# KiCad board ButterStick.kicad_pcb (continued)
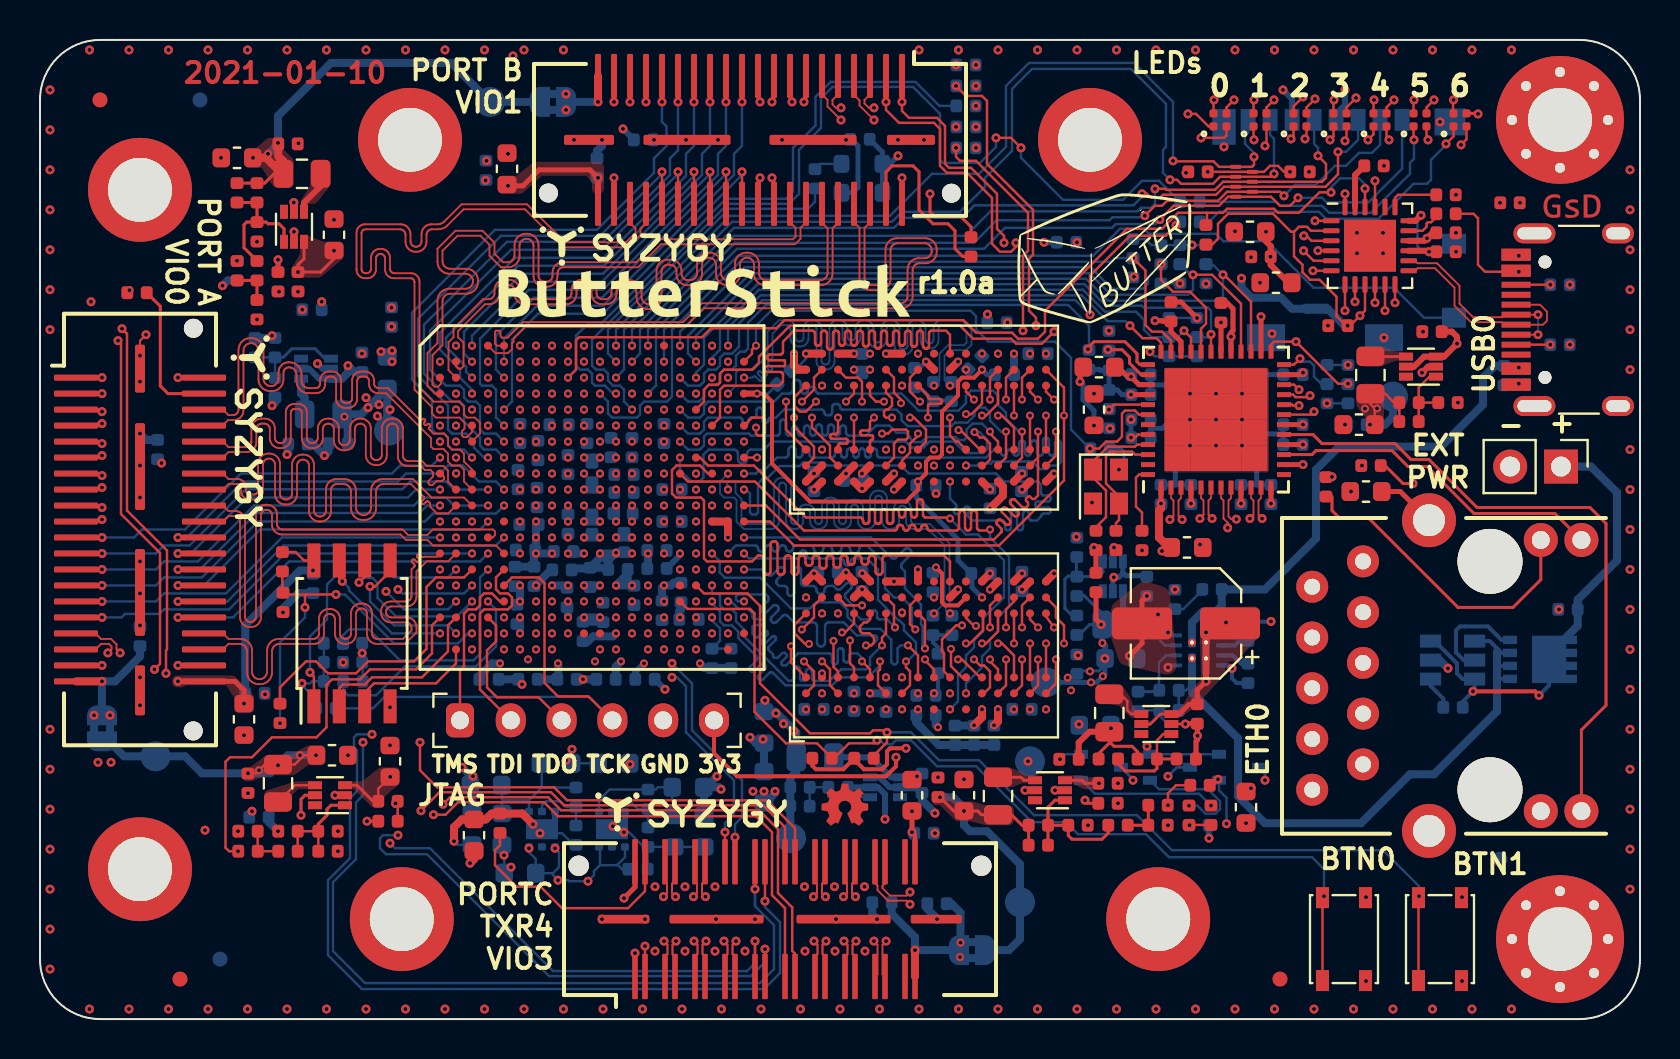
[diagram p0: board, top side]
## Routing (per net, layer and track width the routed paths; a pad name or vN(x,y) marks a point on that pad's centre or on a via; arc(x,y) is an arc through that point) (continued)
/GIGABIT-0/ETH_B_P: length 24
  Top w0.089: U2.5 58.05,26.07 58.18,25.95 58.18,25.23 v1(57.99,25.05)
  In2.Cu w0.089: v1(57.99,25.05) 58.18,24.87 58.18,24.35 58.53,24 58.53,23.3 57.97,22.75 57.97,20.2 58.82,19.35 58.82,17.1 59.06,16.86 59.09,16.82 59.11,16.78 59.13,16.73 59.13,16.68 59.11,16.63 59.09,16.58 59.06,16.54 58.51,16 58.45,15.92 58.41,15.83 58.39,15.73 58.39,15.63 58.41,15.53 58.45,15.44 58.51,15.36 58.55,15.32 58.63,15.26 58.72,15.22 58.82,15.2 58.92,15.2 59.02,15.22 59.11,15.26 59.19,15.32 60.76,16.9 60.8,16.93 60.84,16.95 60.89,16.96 60.94,16.96 60.99,16.95 61.04,16.93 61.08,16.9 61.11,16.86 61.13,16.81 61.14,16.76 61.14,16.71 61.13,16.66 61.11,16.62 61.08,16.58 60.53,16.03 60.46,15.95 60.42,15.86 60.4,15.76 60.4,15.66 60.42,15.56 60.46,15.47 60.53,15.4 60.8,15.12 64.3,15.12 65.03,15.85 65.59,15.85 66.15,15.28
/GIGABIT-0/ETH_C_N: length 23.4
  Top w0.089: v1(59.82,25.02) 59.56,25.02 59.43,25.15 59.43,25.95 59.55,26.07 U2.8
  In2.Cu w0.089: CON1.5 64.1,19.09 64.71,18.49 64.71,18.29 64.4,17.97 60.9,17.97 60.07,18.8 60.07,19.52 60.08,19.58 60.1,19.62 60.12,19.67 60.16,19.7 60.2,19.73 60.25,19.74 60.3,19.75 60.69,19.75 60.79,19.76 60.88,19.79 60.97,19.85 61.04,19.92 61.09,20 61.12,20.1 61.14,20.2 61.14,20.25 61.12,20.35 61.09,20.45 61.04,20.53 60.97,20.6 60.88,20.66 60.79,20.69 60.69,20.7 59.34,20.7 59.29,20.71 59.24,20.72 59.2,20.75 59.16,20.78 59.14,20.83 59.12,20.87 59.11,20.92 59.12,20.98 59.14,21.02 59.16,21.07 59.2,21.1 59.24,21.13 59.29,21.14 59.34,21.15 60.69,21.15 60.79,21.16 60.88,21.19 60.97,21.25 61.04,21.32 61.09,21.4 61.12,21.5 61.14,21.6 61.14,21.65 61.12,21.75 61.09,21.85 61.04,21.93 60.97,22 60.88,22.06 60.79,22.09 60.69,22.1 59.34,22.1 59.29,22.11 59.24,22.12 59.2,22.15 59.16,22.18 59.14,22.23 59.12,22.27 59.11,22.32 59.12,22.38 59.14,22.42 59.16,22.47 59.2,22.5 59.24,22.53 59.29,22.54 59.34,22.55 60.69,22.55 60.79,22.56 60.88,22.59 60.97,22.65 61.04,22.72 61.09,22.8 61.12,22.9 61.14,23 61.14,23.05 61.12,23.15 61.09,23.25 61.04,23.33 60.97,23.4 60.88,23.46 60.79,23.49 60.69,23.5 60.3,23.5 60.25,23.51 60.2,23.52 60.16,23.55 60.12,23.58 60.1,23.63 60.08,23.67 60.07,23.72 60.07,24.5 59.82,24.76 v1(59.82,25.02)
/GIGABIT-0/ETH_C_P: length 24
  Top w0.089: U2.7 59.05,26.07 59.18,25.95 59.18,25.05 59.38,24.84 v1(59.38,24.58)
  In2.Cu w0.089: CON1.6 65.68,18.3 65.08,18.3 64.5,17.72 60.8,17.72 59.82,18.7 59.82,19.55 59.84,19.65 59.87,19.75 59.92,19.83 59.99,19.9 60.08,19.96 60.17,19.99 60.27,20 60.66,20 60.71,20.01 60.76,20.02 60.8,20.05 60.84,20.08 60.86,20.13 60.88,20.17 60.89,20.22 60.88,20.28 60.86,20.32 60.84,20.37 60.8,20.4 60.76,20.43 60.71,20.44 60.66,20.45 59.31,20.45 59.21,20.46 59.12,20.49 59.03,20.55 58.96,20.62 58.91,20.7 58.88,20.8 58.86,20.9 58.86,20.95 58.88,21.05 58.91,21.15 58.96,21.23 59.03,21.3 59.12,21.36 59.21,21.39 59.31,21.4 60.66,21.4 60.71,21.41 60.76,21.42 60.8,21.45 60.84,21.48 60.86,21.53 60.88,21.57 60.89,21.62 60.88,21.68 60.86,21.72 60.84,21.77 60.8,21.8 60.76,21.83 60.71,21.84 60.66,21.85 59.31,21.85 59.21,21.86 59.12,21.89 59.03,21.95 58.96,22.02 58.91,22.1 58.88,22.2 58.86,22.3 58.86,22.35 58.88,22.45 58.91,22.55 58.96,22.63 59.03,22.7 59.12,22.76 59.21,22.79 59.31,22.8 60.66,22.8 60.71,22.81 60.76,22.82 60.8,22.85 60.84,22.88 60.86,22.93 60.88,22.97 60.89,23.02 60.88,23.08 60.86,23.12 60.84,23.17 60.8,23.2 60.76,23.23 60.71,23.24 60.66,23.25 60.27,23.25 60.17,23.26 60.08,23.29 59.99,23.35 59.92,23.42 59.87,23.5 59.84,23.6 59.82,23.7 59.82,24.4 59.64,24.58 v1(59.38,24.58)
/GIGABIT-0/ETH_D_N: length 23
  Top w0.089: v1(61.11,25.05) 60.93,25.23 60.93,25.95 61.05,26.07 U2.11
  In2.Cu w0.089: v1(61.11,25.05) 60.93,25.23 60.93,26.8 61.55,27.42 62.25,27.42 62.78,26.89 62.85,26.84 62.93,26.8 63.02,26.78 63.11,26.78 63.2,26.8 63.28,26.84 63.36,26.89 63.46,27 63.49,27.03 63.53,27.04 63.57,27.05 63.61,27.05 63.65,27.04 63.69,27.03 63.72,27 63.78,26.94 63.81,26.91 63.82,26.87 63.83,26.83 63.83,26.79 63.82,26.75 63.81,26.71 63.78,26.68 62.93,25.83 62.87,25.75 62.82,25.66 62.8,25.57 62.8,25.47 62.82,25.37 62.87,25.28 62.93,25.2 62.97,25.16 63.05,25.1 63.14,25.05 63.24,25.03 63.34,25.03 63.43,25.05 63.52,25.1 63.6,25.16 64.48,26.02 64.52,26.05 64.56,26.07 64.61,26.08 64.65,26.08 64.7,26.07 64.74,26.05 64.78,26.02 64.8,25.99 64.83,25.96 64.85,25.91 64.86,25.87 64.86,25.82 64.85,25.78 64.83,25.73 64.8,25.7 64.69,25.59 64.63,25.52 64.59,25.43 64.57,25.33 64.57,25.24 64.59,25.14 64.63,25.06 64.69,24.98 65.05,24.62 66.55,24.62 68.03,23.15 68.03,22.1 67.7,21.77 65.35,21.77 64.57,21 64.25,21 CON1.3
/GIGABIT-0/ETH_D_P: length 24
  Top w0.089: U2.10 60.55,26.07 60.68,25.95 60.68,25.23 v1(60.49,25.05)
  In2.Cu w0.089: CON1.4 65.44,20.36 64.99,20.81 64.99,21.06 65.45,21.52 67.8,21.52 68.28,22 68.28,23.25 66.65,24.87 65.15,24.87 64.89,25.14 64.86,25.17 64.84,25.22 64.83,25.26 64.83,25.31 64.84,25.35 64.86,25.4 64.89,25.43 65,25.54 65.06,25.62 65.1,25.7 65.12,25.8 65.12,25.89 65.1,25.99 65.06,26.08 65,26.15 64.93,26.21 64.86,26.27 64.77,26.31 64.68,26.34 64.58,26.34 64.49,26.31 64.4,26.27 64.32,26.21 63.44,25.36 63.41,25.32 63.36,25.3 63.31,25.29 63.26,25.29 63.21,25.3 63.17,25.32 63.13,25.36 63.09,25.4 63.07,25.44 63.06,25.49 63.06,25.54 63.07,25.59 63.09,25.63 63.13,25.67 63.98,26.52 64.03,26.59 64.07,26.68 64.09,26.77 64.09,26.86 64.07,26.95 64.03,27.03 63.98,27.1 63.88,27.2 63.81,27.25 63.73,27.29 63.64,27.31 63.55,27.31 63.46,27.29 63.37,27.25 63.3,27.2 63.2,27.09 63.17,27.06 63.13,27.05 63.09,27.04 63.05,27.04 63.01,27.05 62.97,27.06 62.94,27.09 62.35,27.67 61.45,27.67 60.68,26.9 60.68,25.23 v1(60.49,25.05)
/PDM0: length 20.8
  Top w0.12: U4.V1 19.6,19.7 19.6,18.3 18.8,17.5 16.5,17.5 16,17 14.6,17 14.33,16.72 14.33,14.6 13.83,14.1 11.6,14.1 10.6,13.1 9.5,13.1 9.28,12.87 9.28,8.57 9.45,8.4 v1(9.9,8.4) R75.2
/PDM1: length 21.8
  In2.Cu w0.12: v1(10.85,35.01) 14.33,35.01 15.25,34.1 18.08,34.1 18.58,33.6 18.58,32.17 19.03,31.72 19.78,31.72 20.6,30.9 20.93,30.9 21.21,30.61 21.21,30.29 22.2,29.3 22.6,29.3 22.8,29.5 22.8,29.85 23.05,30.1 26.65,30.1 26.82,30.27 26.82,30.72 27,30.9 27.6,30.9 v2(28,30.5)
/PDM2: length 59.7
  In2.Cu w0.12: v2(20.8,21.7) 20.4,21.3 20.4,20.6 18.45,18.65 18.45,11.5 18.58,11.37 18.58,9.32 18.9,9 19.75,9 22.3,6.45 22.3,2.65 22.95,2 46.2,2 53.9,9.7 v1(56.4,9.7)
/sheetFPGA/CFG0: length 11.6
  Bottom w0.12: R50.2 15.17,16.43 15.4,16.2 16.8,16.2 18.25,17.65 21.8,17.65 22.8,18.65 22.8,20.5 v2(22.4,20.9)
/sheetFPGA/CFG1: length 10.3
  In2.Cu w0.12: v1(15.16,17.85) 15.16,18.11 17.92,20.87 18.4,20.87 19.3,21.77 19.3,22.32 19.85,22.87 20.95,22.87 22.12,21.7 v2(22.4,21.7)
  Bottom w0.12: R48.2 v1(15.16,17.85)
/sheetFPGA/CFG2: length 12.5
  Bottom w0.12: R46.2 15.14,19.19 15.45,19.5 16.45,19.5 18,17.95 21.68,17.95 22,18.27 22,22.1 v2(22.4,22.5)
/sheetFPGA/CFG.CLK: length 8.5
  Top w0.12: v1(15.95,21.85) 16.23,22.13 U5.6
  Bottom w0.12: v1(15.95,21.85) 16.17,22.07 16.63,22.07 16.87,21.83 16.87,21.08 17.8,20.15 20.85,20.15 v2(21.6,20.9)
/sheetFPGA/CFG.CS: length 13.5
  Top w0.12: v1(13.5,17.35) 13.69,17.15 U5.1
  Bottom w0.12: v1(13.5,17.35) 13.5,19.15 14.35,20 14.35,21.75 14.95,22.35 17.45,22.35 17.7,22.1 20.4,22.1 v2(20.8,22.5)
/sheetFPGA/CFG.IO0: length 7.6
  Top w0.12: v1(16.5,21.65) 16.75,21.65 17.5,22.4 U5.5
  Bottom w0.12: v1(16.5,21.65) 16.5,20.9 17.7,19.7 20.4,19.7 v2(20.8,19.3)
/sheetFPGA/CFG.IO1: length 9
  Top w0.12: U5.2 14.97,16.56 15.14,16.74 16.24,16.74 16.6,17.1 19.1,17.1 20.4,18.4 20.4,19.7 U4.V2
/sheetFPGA/CFG.IO2: length 6.6
  Top w0.12: U4.Y2 20.8,17.8 19.8,16.8 16.7,16.8 16.23,16.33 U5.3
/sheetFPGA/CFG.IO3: length 7.1
  Top w0.12: U5.7 14.97,22.06 v1(15.11,21.91)
  Bottom w0.12: v2(20,19.3) 17.6,19.3 15.45,21.45 15.45,21.57 v1(15.11,21.91)
/sheetFPGA/FPGA_RESET: length 18.8
  Top w0.12: R52.1 v1(12,14.8) ; 13.3,21.25 12.25,21.25 12.12,21.38 R45.2 12.11,22.41 ; 13.3,21.25 v1(14.8,21.25) ; 13.3,21.25 13.25,21.2 v1(13.25,20.6)
  Bottom w0.12: v1(14.8,21.25) 15.25,21.25 17.7,18.8 20.9,18.8 21.4,19.3 v2(21.6,19.3) ; v1(12,14.8) 12,18.85 13.25,20.1 v1(13.25,20.6)
/sheetFPGA/TCK: length 26.1
  Top w0.12: J6.4 27.42,16.15 25.9,16.15 25.22,16.82 25.22,21.82 24.95,22.1 23.6,22.1 U4.T5
  Bottom w0.12: 28.65,14.98 J6.4 27.44,16.12 17.22,16.12 16.65,15.55 R55.1
/sheetFPGA/TDI: length 10.3
  Top w0.12: U4.R5 22.8,22.1 22.8,21.5 23,21.3 23.4,21.3 23.6,21.1 23.6,20.7 23.4,20.5 22.2,20.5 22,20.3 22,16.49 J6.2
  Bottom w0.12: 23.55,14.96 J6.2
/sheetFPGA/TDO: length 8.3
  Top w0.12: J6.3 24.93,16.1 22.85,16.1 22.35,16.6 22.35,18.45 22.8,18.9 22.8,19.7 U4.V4
  Bottom w0.12: 26.1,14.97 J6.3
/sheetFPGA/TMS: length 8.2
  Top w0.12: U4.U5 23,20.9 22.6,21.3 22.2,21.3 22,21.1 22,20.7 21.8,20.5 21.4,20.5 21.2,20.3 21.2,17.65 21,17.45 J6.1
/sheetIO/IO-LEDS/CATB: length 94
  Top w0.12: v1(71.05,43.75) 71.32,44.02 D7.4 ; D1.4 59.32,44.22 59.2,44.1 v1(58.05,44.1) ; D4.4 65.32,44.02 v1(65.25,43.95) ; v1(63.25,44.05) 63.32,44.12 D3.4 ; D5.4 67.32,44.12 v1(67.45,44) ; D2.4 61.32,43.77 v1(61.25,43.7) ; v1(69.4,44) 69.32,44.07 D6.4
  In2.Cu w0.15: v1(69.4,44) 69.4,43.4 69.55,43.25 69.55,42 69.65,41.9 69.65,40.05 70.2,39.5 70.2,27.75 72.05,25.9 78.1,25.9 78.8,25.2 78.8,9.3 78.05,8.55 72.7,8.55 71.3,7.15 64,7.15 59.6,11.55 57.64,11.55 56.34,12.85 55.55,12.85 v1(54.65,11.95)
  In5.Cu w0.12: v1(58.05,44.1) 59.65,44.1 60.05,44.5 61.1,44.5 61.25,44.35 v1(61.25,43.7) 61.9,43.7 62.2,43.4 62.6,43.4 v1(63.25,44.05) 63.25,44.4 63.35,44.5 65.1,44.5 65.25,44.35 ; 67.45,44.35 67.3,44.5 65.4,44.5 65.25,44.35 ; 67.45,44.35 67.6,44.5 69.12,44.5 69.4,44.22 ; 67.45,44.35 v1(67.45,44) ; 65.25,44.35 v1(65.25,43.95) ; 69.4,44.22 v1(69.4,44) ; 69.4,44.22 69.57,44.4 70.75,44.4 71.05,44.1 v1(71.05,43.75)
  Bottom w0.15: v1(54.65,11.95) 54.65,12 Q2.3
/sheetIO/IO-LEDS/CATG: length 92.9
  Top w0.12: D2.3 61.32,45.62 v1(61.7,46) ; v1(67.7,46) 67.32,45.62 D5.3 ; v1(59.7,46) 59.32,45.62 D1.3 ; v1(65.8,46.1) 65.32,45.62 D4.3 ; v1(63.75,46.05) 63.32,45.62 D3.3 ; D6.3 69.32,45.62 v1(69.7,46)
  Top w0.15: v1(71.9,45.3) 71.88,45.32 D7.3
  In2.Cu w0.15: 63.35,46.65 62.95,46.65 62.3,46 v1(61.7,46) 61.55,46 61.05,46.5 60.2,46.5 v1(59.7,46) ; 63.35,46.65 63.75,46.65 v1(63.75,46.05) ; 63.35,46.65 64.35,46.65 64.75,47.05 65.75,47.05 66.25,46.55 ; v1(67.7,46) 67.7,46.3 ; 67.7,46.3 67.95,46.55 69.1,46.55 69.65,46 v1(69.7,46) 69.8,46 70.55,46.75 71.55,46.75 71.9,46.4 v1(71.9,45.3) 71.9,26.65 72.35,26.2 78.35,26.2 79.1,25.45 79.1,9.1 78.2,8.2 72.95,8.2 71.6,6.85 63.88,6.85 59.53,11.2 57.08,11.2 56.4,11.88 v1(56.4,12.15) ; 67.7,46.3 67.45,46.55 66.25,46.55 ; 66.25,46.55 v1(65.8,46.1)
  Bottom w0.15: Q3.3 56.85,12.6 v1(56.4,12.15)
/sheetIO/IO-LEDS/CATR: length 85.3
  Top w0.12: v1(60.7,46) 60.68,45.97 D2.2 ; v1(70.68,46) 70.65,45.97 70.65,45.32 ; v1(68.7,46) 68.68,45.97 D6.2 ; v1(58.7,46) 58.68,45.97 D1.2 ; v1(64.7,46) 64.68,45.97 D4.2 ; D5.2 66.68,45.97 v1(66.7,46) ; D3.2 62.68,45.67 v1(63.15,46.15)
  In2.Cu w0.15: 68.7,45.65 68.5,45.45 68.05,45.45 ; 68.7,45.65 v1(68.7,46) ; 68.7,45.65 68.9,45.45 70.12,45.45 v1(70.68,46) ; 66.7,45.65 66.9,45.45 68.05,45.45 ; 66.7,45.65 v1(66.7,46) ; 66.7,45.65 66.55,45.5 64.9,45.5 64.7,45.7 ; 68.05,45.45 68.05,40.1 68.49,39.66 69.36,39.66 69.9,39.12 69.9,27.65 72,25.55 77.9,25.55 78.4,25.05 78.4,9.45 77.85,8.9 72.55,8.9 71.15,7.5 64.95,7.5 61.25,11.2 v1(61.25,11.95) ; v1(60.7,46) 60.7,45.6 ; 60.7,45.6 60.8,45.5 62.85,45.5 63.15,45.8 ; 60.7,45.6 60.6,45.5 59.25,45.5 58.75,46 v1(58.7,46) ; v1(64.7,46) 64.7,45.7 ; 64.7,45.7 64.55,45.55 63.4,45.55 63.15,45.8 ; 63.15,45.8 v1(63.15,46.15)
  Bottom w0.15: Q1.3 61.25,12.3 v1(61.25,11.95)
/SYZYGY0.C2P_CLK_N: length 27.2
  Top w0.089: U4.P2 20.41,22.91 19.34,22.91 18.83,22.4 18.83,21.14 18.81,21.03 18.78,20.93 18.72,20.84 18.64,20.76 18.54,20.7 18.44,20.66 18.33,20.65 17.58,20.65 17.51,20.64 17.46,20.62 17.4,20.59 17.36,20.55 17.33,20.49 17.31,20.44 17.3,20.37 17.31,20.31 17.33,20.26 17.36,20.2 17.4,20.16 17.46,20.13 17.51,20.11 17.58,20.1 18.33,20.1 18.44,20.09 18.54,20.05 18.64,19.99 18.72,19.91 18.78,19.82 18.81,19.72 18.83,19.61 18.83,19.35 18.25,18.77 16.84,18.77 16.73,18.79 16.63,18.82 16.54,18.88 16.46,18.96 16.4,19.06 16.36,19.16 16.35,19.27 16.35,20.27 16.34,20.34 16.32,20.39 16.29,20.45 16.25,20.49 16.19,20.52 16.14,20.54 16.08,20.55 16.01,20.54 15.96,20.52 15.9,20.49 15.86,20.45 15.83,20.39 15.81,20.34 15.8,20.27 15.8,19.27 15.79,19.16 15.75,19.06 15.69,18.96 15.61,18.88 15.52,18.82 15.42,18.79 15.31,18.77 15.24,18.77 15.13,18.79 15.03,18.82 14.94,18.88 14.86,18.96 14.8,19.06 14.76,19.16 14.75,19.27 14.75,20 14.74,20.06 14.72,20.12 14.69,20.17 14.65,20.22 14.59,20.25 14.54,20.27 14.47,20.28 14.41,20.27 14.36,20.25 14.3,20.22 14.26,20.17 14.23,20.12 14.21,20.06 14.2,20 14.2,19.27 14.19,19.16 14.15,19.06 14.09,18.96 14.01,18.88 13.92,18.82 13.82,18.79 13.71,18.77 11.97,18.77 11.89,18.77 11.81,18.74 11.74,18.69 11.68,18.63 11.64,18.56 11.61,18.48 11.6,18.4 11.6,17.35 11.59,17.22 11.54,17.09 11.47,16.98 11.38,16.89 11.27,16.82 11.14,16.77 11.01,16.76 10.94,16.76 10.81,16.77 10.68,16.82 10.57,16.89 10.48,16.98 10.41,17.09 10.36,17.22 10.35,17.35 10.35,18.4 10.34,18.48 10.31,18.56 10.27,18.63 10.21,18.69 10.14,18.74 10.06,18.77 9.97,18.77 9.42,18.77 9.15,18.5 J3.36
/SYZYGY0.C2P_CLK_P: length 27.2
  Top w0.089: U4.P1 19.84,23.14 19.21,23.14 19.2,23.13 19.18,23.12 19.16,23.11 19.14,23.11 19.12,23.12 19.1,23.13 19.09,23.14 19,23.23 18.98,23.24 18.96,23.25 18.94,23.25 18.92,23.25 18.91,23.25 18.89,23.24 18.87,23.23 18.86,23.21 18.85,23.19 18.85,23.17 18.85,23.15 18.85,23.13 18.86,23.12 18.87,23.1 18.96,23.01 18.97,23 18.98,22.98 18.99,22.96 18.99,22.94 18.98,22.92 18.97,22.9 18.96,22.89 18.94,22.87 18.93,22.87 18.91,22.86 18.89,22.86 18.87,22.87 18.85,22.87 18.83,22.89 18.75,22.97 18.73,22.99 18.71,23 18.69,23 18.67,23 18.65,23 18.64,22.99 18.62,22.97 18.61,22.96 18.6,22.94 18.59,22.92 18.59,22.9 18.6,22.88 18.61,22.86 18.62,22.85 18.71,22.76 18.72,22.75 18.73,22.73 18.73,22.71 18.73,22.69 18.73,22.67 18.72,22.65 18.71,22.63 18.58,22.5 18.58,21.17 18.57,21.11 18.55,21.06 18.52,21 18.47,20.96 18.42,20.93 18.36,20.91 18.3,20.9 17.54,20.9 17.43,20.89 17.33,20.85 17.24,20.79 17.16,20.71 17.1,20.62 17.06,20.52 17.05,20.41 17.05,20.34 17.06,20.23 17.1,20.13 17.16,20.04 17.24,19.96 17.33,19.9 17.43,19.86 17.54,19.85 18.3,19.85 18.36,19.84 18.42,19.82 18.47,19.79 18.52,19.75 18.55,19.69 18.57,19.64 18.58,19.57 18.58,19.45 18.15,19.02 16.88,19.02 16.81,19.03 16.76,19.05 16.7,19.08 16.66,19.13 16.63,19.18 16.61,19.24 16.6,19.3 16.6,20.31 16.59,20.42 16.55,20.52 16.49,20.61 16.41,20.69 16.32,20.75 16.22,20.79 16.11,20.8 16.04,20.8 15.93,20.79 15.83,20.75 15.74,20.69 15.66,20.61 15.6,20.52 15.56,20.42 15.55,20.31 15.55,19.3 15.54,19.24 15.52,19.18 15.49,19.13 15.45,19.08 15.39,19.05 15.34,19.03 15.28,19.02 15.21,19.03 15.16,19.05 15.1,19.08 15.06,19.13 15.03,19.18 15.01,19.24 15,19.3 15,20.03 14.99,20.14 14.95,20.25 14.89,20.34 14.81,20.42 14.72,20.48 14.62,20.51 14.51,20.53 14.44,20.53 14.33,20.51 14.23,20.48 14.14,20.42 14.06,20.34 14,20.25 13.96,20.14 13.95,20.03 13.95,19.3 13.94,19.24 13.92,19.18 13.89,19.13 13.85,19.08 13.79,19.05 13.74,19.03 13.67,19.02 11.94,19.02 11.81,19.01 11.68,18.97 11.57,18.9 11.48,18.8 11.41,18.69 11.36,18.57 11.35,18.44 11.35,17.38 11.34,17.3 11.31,17.22 11.27,17.15 11.21,17.09 11.14,17.04 11.06,17.02 10.97,17.01 10.89,17.02 10.81,17.04 10.74,17.09 10.68,17.15 10.64,17.22 10.61,17.3 10.6,17.38 10.6,18.44 10.59,18.57 10.54,18.69 10.47,18.8 10.38,18.9 10.27,18.97 10.14,19.01 10.01,19.02 9.42,19.02 9.15,19.3 J3.34
/SYZYGY0.D0_N: length 24
  Top w0.12: J3.7 3,29.7 v1(3.1,29.8)
  In2.Cu w0.089: v2(20,29.7) 19.78,29.7 19.6,29.52 19.6,28.55 19.53,28.47 19.4,28.47 19.33,28.55 19.33,29.22 19.22,29.32 9.6,29.32 8.95,29.97 8.82,29.97 8.7,29.99 8.59,30.03 8.5,30.09 8.41,30.17 8.35,30.27 8.31,30.38 8.3,30.49 8.3,30.92 8.29,30.99 8.27,31.05 8.23,31.11 8.19,31.15 8.13,31.19 8.07,31.21 8,31.22 7.93,31.21 7.87,31.19 7.81,31.15 7.77,31.11 7.73,31.05 7.71,30.99 7.7,30.92 7.7,30.49 7.69,30.38 7.65,30.27 7.59,30.17 7.5,30.09 7.41,30.03 7.3,29.99 7.18,29.97 7.12,29.97 7,29.99 6.89,30.03 6.8,30.09 6.71,30.17 6.65,30.27 6.61,30.38 6.6,30.49 6.6,30.92 6.59,30.99 6.57,31.05 6.53,31.11 6.49,31.15 6.43,31.19 6.37,31.21 6.3,31.22 6.23,31.21 6.17,31.19 6.11,31.15 6.07,31.11 6.03,31.05 6.01,30.99 6,30.92 6,30.49 5.99,30.38 5.95,30.27 5.89,30.17 5.8,30.09 5.71,30.03 5.6,29.99 5.48,29.97 3.28,29.97 v1(3.1,29.8)
/SYZYGY0.D0_P: length 24
  Top w0.12: J3.5 3,30.5 v1(3.1,30.4)
  In2.Cu w0.089: v1(3.1,30.4) 3.28,30.22 5.45,30.22 5.52,30.23 5.58,30.25 5.64,30.29 5.68,30.34 5.72,30.39 5.74,30.46 5.75,30.52 5.75,30.95 5.76,31.07 5.8,31.18 5.86,31.28 5.95,31.36 6.04,31.42 6.15,31.46 6.27,31.47 6.33,31.47 6.45,31.46 6.56,31.42 6.65,31.36 6.74,31.28 6.8,31.18 6.84,31.07 6.85,30.95 6.85,30.52 6.86,30.46 6.88,30.39 6.92,30.34 6.96,30.29 7.02,30.25 7.08,30.23 7.15,30.22 7.22,30.23 7.28,30.25 7.34,30.29 7.38,30.34 7.42,30.39 7.44,30.46 7.45,30.52 7.45,30.95 7.46,31.07 7.5,31.18 7.56,31.28 7.65,31.36 7.74,31.42 7.85,31.46 7.97,31.47 8.03,31.47 8.15,31.46 8.26,31.42 8.35,31.36 8.44,31.28 8.5,31.18 8.54,31.07 8.55,30.95 8.55,30.52 8.56,30.46 8.58,30.39 8.62,30.34 8.66,30.29 8.72,30.25 8.78,30.23 8.85,30.22 9.05,30.22 9.7,29.57 19.33,29.57 19.83,30.07 20.2,30.07 20.4,29.87 20.4,29.52 20.8,29.12 v2(20.8,28.9)
/SYZYGY0.D1_N: length 27.1
  Top w0.089: J3.8 9.12,29.7 9.4,29.97 9.68,29.97 9.68,29.97 9.79,29.99 9.89,30.02 9.99,30.08 10.07,30.16 10.13,30.25 10.16,30.36 10.17,30.47 10.17,33.45 10.18,33.54 10.21,33.61 10.26,33.69 10.31,33.75 10.39,33.79 10.46,33.82 10.55,33.83 10.55,33.83 10.63,33.82 10.71,33.79 10.78,33.75 10.84,33.69 10.89,33.61 10.91,33.54 10.92,33.45 10.92,32.02 10.92,32.01 10.94,31.88 10.98,31.76 11.05,31.65 11.14,31.55 11.26,31.48 11.38,31.44 11.51,31.43 11.58,31.43 11.72,31.44 11.84,31.48 11.95,31.55 12.04,31.65 12.11,31.76 12.16,31.88 12.17,32.02 12.17,32.34 12.18,32.4 12.2,32.46 12.23,32.51 12.28,32.56 12.33,32.59 12.39,32.61 12.45,32.62 12.45,32.62 12.53,32.61 12.61,32.58 12.68,32.54 12.74,32.48 12.79,32.41 12.82,32.33 12.82,32.24 12.82,31.92 12.84,31.78 12.88,31.66 12.95,31.55 13.05,31.45 13.16,31.38 13.28,31.34 13.41,31.32 13.81,31.32 13.91,31.34 14,31.37 14.09,31.42 14.16,31.49 14.21,31.58 14.24,31.67 14.26,31.77 14.26,31.93 14.26,31.98 14.28,32.03 14.3,32.07 14.34,32.1 14.38,32.13 14.43,32.15 14.48,32.15 14.58,32.15 14.63,32.15 14.68,32.13 14.72,32.1 14.76,32.07 14.78,32.03 14.8,31.98 14.81,31.93 14.81,31.04 14.82,30.94 14.85,30.84 14.9,30.76 14.97,30.68 15.06,30.63 15.15,30.6 15.25,30.59 15.41,30.59 15.51,30.6 15.6,30.63 15.69,30.68 15.76,30.76 15.81,30.84 15.84,30.94 15.86,31.04 15.86,31.93 15.86,31.98 15.88,32.03 15.91,32.07 15.94,32.1 15.98,32.13 16.03,32.15 16.08,32.15 16.23,32.15 16.28,32.15 16.32,32.13 16.37,32.1 16.4,32.07 16.43,32.03 16.45,31.98 16.45,31.93 16.45,31.77 16.46,31.67 16.5,31.58 16.55,31.49 16.62,31.42 16.71,31.37 16.8,31.34 16.9,31.32 17.3,31.32 19.55,29.07 19.55,28.65 19.67,28.52 20.17,28.52 20.4,28.3 20.4,27.9 20.6,27.7 21,27.7 21.2,27.5 21.2,26.9 U4.K3
/SYZYGY0.D1_P: length 27.1
  Top w0.089: J3.6 9.15,30.5 9.42,30.22 9.65,30.22 9.71,30.23 9.77,30.25 9.82,30.28 9.87,30.33 9.9,30.38 9.92,30.44 9.92,30.5 9.92,33.49 9.94,33.62 9.98,33.74 10.05,33.86 10.15,33.95 10.26,34.02 10.38,34.06 10.51,34.08 10.59,34.08 10.72,34.06 10.84,34.02 10.95,33.95 11.05,33.86 11.12,33.74 11.16,33.62 11.17,33.49 11.17,32.05 11.17,32.05 11.18,31.97 11.21,31.89 11.25,31.82 11.31,31.76 11.38,31.71 11.46,31.69 11.55,31.68 11.63,31.69 11.71,31.71 11.78,31.76 11.84,31.82 11.89,31.89 11.91,31.97 11.92,32.05 11.92,32.37 11.94,32.48 11.97,32.59 12.03,32.68 12.11,32.76 12.2,32.82 12.31,32.85 12.42,32.87 12.42,32.87 12.49,32.87 12.62,32.85 12.74,32.81 12.85,32.74 12.95,32.65 13.02,32.53 13.06,32.41 13.07,32.28 13.07,31.95 13.08,31.87 13.11,31.79 13.16,31.72 13.22,31.66 13.29,31.61 13.37,31.58 13.45,31.57 13.78,31.57 13.83,31.58 13.88,31.6 13.92,31.62 13.96,31.66 13.98,31.7 14,31.75 14.01,31.8 14.01,31.95 14.02,32.05 14.05,32.15 14.1,32.23 14.17,32.31 14.26,32.36 14.35,32.39 14.45,32.4 14.61,32.4 14.71,32.39 14.8,32.36 14.89,32.31 14.96,32.23 15.01,32.15 15.04,32.05 15.06,31.95 15.06,31.06 15.06,31.01 15.08,30.97 15.1,30.92 15.14,30.89 15.18,30.86 15.23,30.84 15.28,30.84 15.38,30.84 15.43,30.84 15.48,30.86 15.52,30.89 15.56,30.92 15.58,30.97 15.6,31.01 15.61,31.06 15.61,31.95 15.62,32.05 15.65,32.15 15.7,32.23 15.78,32.31 15.86,32.36 15.96,32.39 16.06,32.4 16.25,32.4 16.35,32.39 16.45,32.36 16.53,32.31 16.6,32.23 16.66,32.15 16.69,32.05 16.7,31.95 16.7,31.8 16.71,31.75 16.73,31.7 16.75,31.66 16.79,31.62 16.83,31.6 16.88,31.58 16.93,31.57 17.4,31.57 18.97,30 18.99,29.99 19.01,29.98 19.03,29.98 19.05,29.98 19.06,29.98 19.08,29.99 19.1,30 19.11,30.02 19.13,30.03 19.14,30.04 19.16,30.04 19.18,30.04 19.2,30.04 19.22,30.03 19.24,30.02 19.25,30 19.26,29.98 19.26,29.96 19.26,29.94 19.26,29.92 19.25,29.91 19.24,29.89 19.22,29.88 19.21,29.86 19.2,29.84 19.2,29.83 19.2,29.81 19.2,29.79 19.21,29.77 19.22,29.75 19.24,29.74 19.26,29.73 19.28,29.73 19.3,29.73 19.32,29.73 19.33,29.74 19.35,29.75 19.36,29.77 19.38,29.78 19.4,29.79 19.42,29.79 19.44,29.79 19.46,29.79 19.47,29.78 19.49,29.77 19.5,29.75 19.51,29.73 19.51,29.71 19.51,29.69 19.51,29.67 19.5,29.65 19.49,29.64 19.48,29.63 19.46,29.61 19.45,29.59 19.45,29.57 19.45,29.55 19.45,29.53 19.46,29.52 19.48,29.5 19.68,29.3 20.2,29.3 20.4,29.1 20.4,28.7 20.6,28.5 21,28.5 21.2,28.3 21.2,27.9 21.6,27.5 U4.J3
/SYZYGY0.D2_N: length 24
  Top w0.12: v1(3.1,28.2) 3,28.1 J3.11
  In2.Cu w0.089: v1(3.1,28.2) 3.28,28.37 9.2,28.37 10.4,27.17 17.36,27.17 17.48,27.19 17.59,27.23 17.7,27.29 17.78,27.38 17.85,27.48 17.89,27.6 17.9,27.72 17.9,27.93 17.91,28 17.93,28.07 17.97,28.13 18.02,28.18 18.08,28.22 18.15,28.25 18.22,28.26 18.3,28.25 18.37,28.22 18.43,28.18 18.48,28.13 18.52,28.07 18.54,28 18.55,27.93 18.55,27.72 18.56,27.6 18.6,27.48 18.67,27.38 18.75,27.29 18.86,27.23 18.97,27.19 19.09,27.17 19.95,27.17 20.55,26.57 21.62,26.57 21.95,26.9 22.8,26.9 v2(23.2,27.3)
/SYZYGY0.D2_P: length 24
  Top w0.12: v1(3.1,28.8) 3,28.9 J3.9
  In2.Cu w0.089: v2(22.4,27.3) 22.5,27.3 22.6,27.4 22.6,27.55 22.5,27.65 22.2,27.65 21.85,27.3 21.85,27.1 21.57,26.82 20.65,26.82 20.05,27.42 19.12,27.42 19.05,27.43 18.98,27.46 18.92,27.5 18.87,27.55 18.83,27.61 18.81,27.68 18.8,27.75 18.8,27.96 18.79,28.08 18.75,28.2 18.68,28.3 18.6,28.39 18.49,28.45 18.38,28.49 18.26,28.51 18.19,28.51 18.07,28.49 17.96,28.45 17.85,28.39 17.77,28.3 17.7,28.2 17.66,28.08 17.65,27.96 17.65,27.75 17.64,27.68 17.62,27.61 17.58,27.55 17.53,27.5 17.47,27.46 17.4,27.43 17.33,27.42 10.5,27.42 9.3,28.62 3.28,28.62 v1(3.1,28.8)
/SYZYGY0.D3_N: length 27.2
  Top w0.089: J3.12 9.15,28.1 9.42,28.37 10.32,28.37 10.43,28.39 10.54,28.42 10.63,28.48 10.71,28.56 10.77,28.66 10.81,28.76 10.82,28.87 10.82,29.52 10.83,29.59 10.85,29.64 10.88,29.7 10.92,29.74 10.97,29.77 11.03,29.79 11.09,29.8 11.22,29.8 11.28,29.79 11.34,29.77 11.39,29.74 11.43,29.7 11.46,29.64 11.48,29.59 11.49,29.53 11.49,29.07 11.5,28.95 11.54,28.85 11.6,28.76 11.68,28.68 11.77,28.62 11.88,28.58 11.99,28.57 12.05,28.57 12.16,28.58 12.26,28.62 12.36,28.68 12.43,28.76 12.49,28.85 12.53,28.95 12.54,29.07 12.54,30.35 12.55,30.39 12.56,30.43 12.58,30.46 12.61,30.49 12.64,30.51 12.68,30.53 12.72,30.53 12.91,30.53 12.95,30.53 12.99,30.51 13.02,30.49 13.05,30.46 13.07,30.43 13.09,30.39 13.09,30.35 13.09,29.07 13.1,28.95 13.14,28.85 13.2,28.76 13.28,28.68 13.37,28.62 13.48,28.58 13.59,28.57 13.65,28.57 13.76,28.58 13.86,28.62 13.96,28.68 14.03,28.76 14.09,28.85 14.13,28.95 14.14,29.07 14.14,29.53 14.15,29.59 14.17,29.64 14.2,29.7 14.24,29.74 14.3,29.77 14.36,29.79 14.42,29.8 14.48,29.79 14.54,29.77 14.59,29.74 14.63,29.7 14.66,29.64 14.68,29.59 14.69,29.53 14.69,28.96 14.7,28.85 14.74,28.74 14.8,28.65 14.88,28.57 14.97,28.51 15.08,28.48 15.19,28.46 15.25,28.46 15.36,28.48 15.46,28.51 15.56,28.57 15.63,28.65 15.69,28.74 15.73,28.85 15.74,28.96 15.74,29.53 15.75,29.59 15.77,29.64 15.8,29.7 15.84,29.74 15.9,29.77 15.96,29.79 16.02,29.8 16.08,29.79 16.14,29.77 16.19,29.74 16.23,29.7 16.26,29.64 16.28,29.59 16.29,29.53 16.29,28.22 16.3,28.1 16.34,28 16.4,27.91 16.48,27.83 16.57,27.77 16.68,27.73 16.79,27.72 16.85,27.72 16.96,27.73 17.06,27.77 17.16,27.83 17.23,27.91 17.29,28 17.33,28.1 17.34,28.22 17.34,29.53 17.35,29.59 17.37,29.64 17.4,29.7 17.44,29.74 17.5,29.77 17.56,29.79 17.62,29.8 17.62,29.8 17.68,29.79 17.74,29.77 17.79,29.74 17.83,29.7 17.87,29.65 17.89,29.59 17.89,29.53 17.89,28.17 17.9,28.06 17.94,27.96 18,27.86 18.08,27.78 18.17,27.73 18.28,27.69 18.39,27.68 19.05,27.68 19.25,27.47 19.53,27.47 19.65,27.35 19.65,27.15 19.42,26.92 19.42,26.8 19.5,26.72 19.62,26.72 19.83,26.92 20.1,26.92 20.2,27.02 20.2,27.15 20.05,27.3 U4.J1
/SYZYGY0.D3_P: length 27.1
  Top w0.089: U4.K2 20.4,26.9 20.4,27.45 20.17,27.67 19.35,27.67 19.1,27.93 18.42,27.93 18.36,27.93 18.3,27.95 18.25,27.99 18.2,28.03 18.17,28.08 18.15,28.14 18.14,28.2 18.14,29.56 18.13,29.67 18.09,29.77 18.03,29.86 17.96,29.94 17.86,30 17.76,30.04 17.65,30.05 17.62,30.05 17.59,30.05 17.48,30.04 17.37,30 17.28,29.94 17.2,29.86 17.14,29.77 17.1,29.67 17.09,29.56 17.09,28.25 17.08,28.18 17.06,28.13 17.03,28.07 16.99,28.03 16.94,28 16.88,27.98 16.82,27.97 16.76,27.98 16.7,28 16.64,28.03 16.6,28.07 16.57,28.13 16.55,28.18 16.54,28.25 16.54,29.56 16.53,29.67 16.49,29.77 16.43,29.86 16.36,29.94 16.26,30 16.16,30.04 16.05,30.05 15.99,30.05 15.88,30.04 15.77,30 15.68,29.94 15.6,29.86 15.54,29.77 15.5,29.67 15.49,29.56 15.49,28.99 15.48,28.93 15.46,28.87 15.43,28.82 15.39,28.77 15.34,28.74 15.28,28.72 15.22,28.71 15.16,28.72 15.1,28.74 15.04,28.77 15,28.82 14.97,28.87 14.95,28.93 14.94,28.99 14.94,29.56 14.93,29.67 14.89,29.77 14.83,29.86 14.76,29.94 14.66,30 14.56,30.04 14.45,30.05 14.39,30.05 14.28,30.04 14.17,30 14.08,29.94 14,29.86 13.94,29.77 13.9,29.67 13.89,29.56 13.89,29.1 13.88,29.03 13.86,28.98 13.83,28.92 13.79,28.88 13.74,28.85 13.68,28.83 13.62,28.82 13.56,28.83 13.5,28.85 13.44,28.88 13.4,28.92 13.37,28.98 13.35,29.03 13.34,29.1 13.34,30.38 13.33,30.47 13.3,30.55 13.25,30.63 13.19,30.69 13.11,30.74 13.03,30.77 12.94,30.78 12.69,30.78 12.6,30.77 12.52,30.74 12.44,30.69 12.38,30.63 12.33,30.55 12.3,30.47 12.29,30.38 12.29,29.1 12.28,29.03 12.26,28.98 12.23,28.92 12.19,28.88 12.14,28.85 12.08,28.83 12.02,28.82 11.96,28.83 11.9,28.85 11.84,28.88 11.8,28.92 11.77,28.98 11.75,29.03 11.74,29.1 11.74,29.56 11.73,29.67 11.69,29.77 11.63,29.86 11.56,29.94 11.46,30 11.36,30.04 11.25,30.05 11.06,30.05 10.95,30.04 10.85,30 10.76,29.94 10.68,29.86 10.62,29.77 10.58,29.67 10.57,29.56 10.57,28.9 10.56,28.84 10.54,28.78 10.51,28.73 10.47,28.68 10.41,28.65 10.35,28.63 10.29,28.62 9.42,28.62 9.15,28.9 J3.10